# Altium PCB 24V Multiphase Buck.PcbDoc (continued)
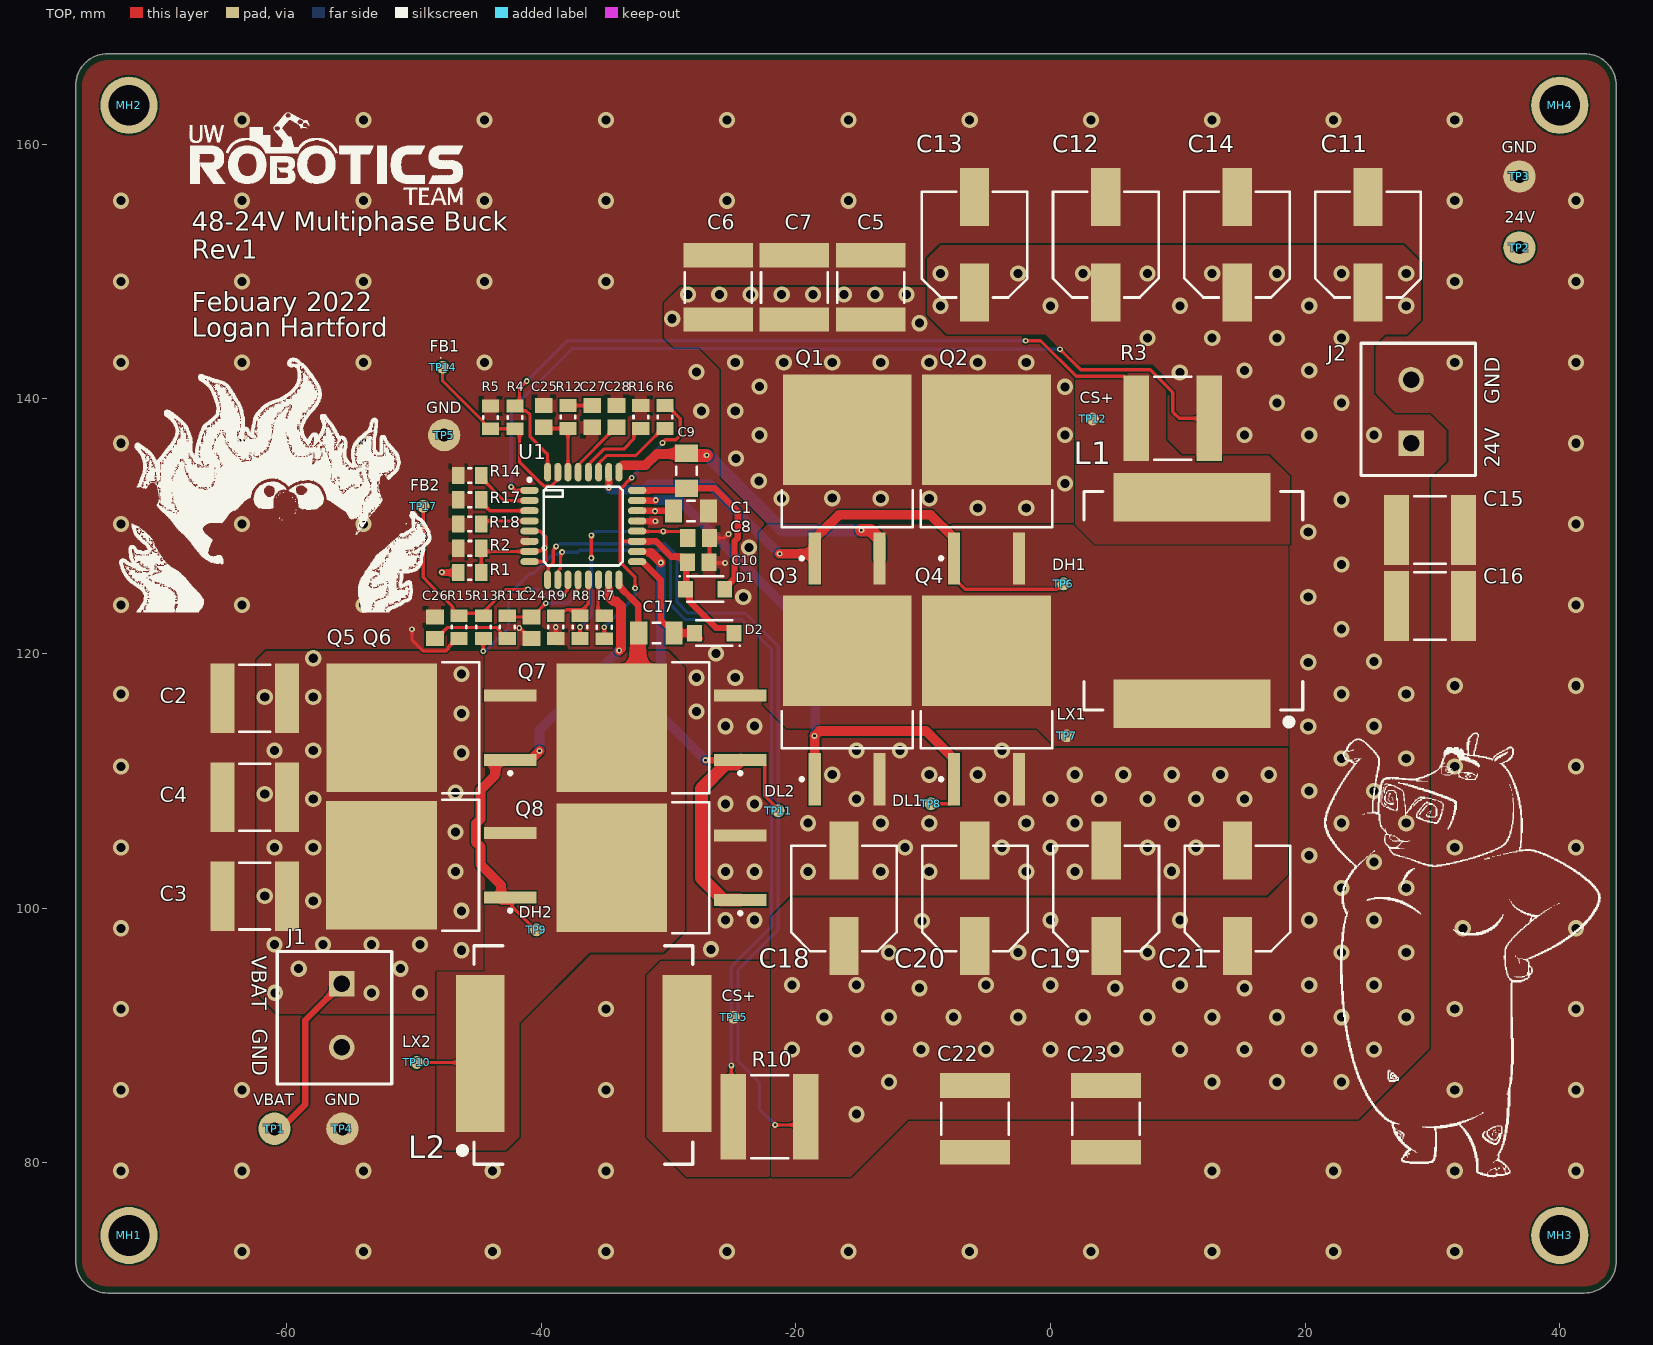
[diagram p0: TOP view]
## Components (designator, comment, footprint, x,y, rotation, side; value= is the part's Value field where it differs from the comment)
C1 "Ceramic Cap" C1206 -28.245,131.191 r180 top value=1uF
C2 "Ceramic Cap" C2220 -62.509,116.498 r0 top value=10uF
C3 "Ceramic Cap" C2220 -62.509,100.955 r0 top value=10uF
C4 "Ceramic Cap" C2220 -62.509,108.726 r0 top value=10uF
C5 "Ceramic Cap" C2220 -14.122,148.768 r270 top value=10uF
C6 "Ceramic Cap" C2220 -26.111,148.768 r270 top value=10uF
C7 "Ceramic Cap" C2220 -20.117,148.768 r270 top value=10uF
C8 "Ceramic Cap" C0805 -27.635,129.083 r180 top value=2.2uF
C9 "Ceramic Cap" C1206 -28.606,134.369 r270 top value=1uF
C10 "Ceramic Cap" C0805 -27.672,127.178 r180 top value=4.7uF
C11 "Electro Cap" CAPAE9983X105M 24.943,152.121 r90 top value=33uF
C12 "Electro Cap" CAPAE9983X105M 4.343,152.121 r90 top value=33uF
C13 "Electro Cap" CAPAE9983X105M -5.969,152.121 r90 top value=33uF
C14 "Electro Cap" CAPAE9983X105M 14.656,152.121 r90 top value=33uF
C15 "Ceramic Cap" CAPC6153X67N 29.805,129.718 r180 top value=NU
C16 "Ceramic Cap" CAPC6153X67N 29.805,123.723 r180 top value=NU
C17 "Ceramic Cap" C1206 -30.963,121.615 r0 top value=1uF
C18 "Electro Cap" CAPAE9983X105M -16.231,100.771 r90 top value=33uF
C19 "Electro Cap" CAPAE9983X105M 4.369,100.771 r90 top value=33uF
C20 "Electro Cap" CAPAE9983X105M -5.944,100.771 r90 top value=33uF
C21 "Electro Cap" CAPAE9983X105M 14.681,100.771 r90 top value=33uF
C22 "Ceramic Cap" CAPC6153X67N -5.944,83.458 r90 top value=NU
C23 "Ceramic Cap" CAPC6153X67N 4.369,83.458 r90 top value=NU
C24 "Ceramic Cap" C0805 -40.767,122.03 r90 top value=33pF
C25 "Ceramic Cap" C0805 -39.802,138.632 r270 top value=33pF
C26 "Ceramic Cap" C0805 -48.362,122.03 r270 top value=8.2nF
C27 "Ceramic Cap" C0805 -35.992,138.632 r90 top value=8.2nF
C28 "Ceramic Cap" C0805 -34.087,138.632 r270 top value=6.2nF
D1 "Schottky Diode" SODFL360X110-2N -27.127,125.07 r0 top
D2 "Schottky Diode" SODFL360X110-2N -26.416,121.615 r180 top
J1 "1935161" 1935161 -55.68,91.567 r270 top
J2 "1935161" 1935161 28.321,139.014 r90 top
L1 "Inductor" IHLP6767GZER5R6M11 11.1,124.17 r90 top value=5.6uH
L2 "Inductor" IHLP6767GZER5R6M11 -36.678,88.595 r0 top value=5.6uH
MH1 "MOUNTING_HOLE_M3" MOUNTING_HOLE_3mm -72.39,74.295 r0 top
MH2 "MOUNTING_HOLE_M3" MOUNTING_HOLE_3mm -72.39,163.068 r0 top
MH3 "MOUNTING_HOLE_M3" MOUNTING_HOLE_3mm 40.005,74.295 r0 top
MH4 "MOUNTING_HOLE_M3" MOUNTING_HOLE_3mm 40.005,163.068 r0 top
Q1 "BUK768R1-100E,118" DPAK254P1530X450-3N -15.977,133.683 r90 top
Q2 "BUK768R1-100E,118" DPAK254P1530X450-3N -5.029,133.683 r90 top
Q3 "BUK768R1-100E,118" DPAK254P1530X450-3N -15.977,116.332 r90 top
Q4 "BUK768R1-100E,118" DPAK254P1530X450-3N -5.029,116.332 r90 top
Q5 "BUK768R1-100E,118" DPAK254P1530X450-3N -48.643,103.378 r180 top
Q6 "BUK768R1-100E,118" DPAK254P1530X450-3N -48.641,114.173 r180 top
Q7 "BUK768R1-100E,118" DPAK254P1530X450-3N -30.568,114.173 r180 top
Q8 "BUK768R1-100E,118" DPAK254P1530X450-3N -30.568,103.175 r180 top
R1 "Resistor" R0805 -45.618,126.365 r180 top value=191kΩ
R2 "Resistor" R0805 -45.618,128.27 r0 top value=10kΩ
R3 "Resistor" R2728 9.601,138.481 r0 top value=5mΩ
R4 "Resistor" R0805 -42.062,138.557 r90 top value=187kΩ
R5 "Resistor" R0805 -43.993,138.557 r270 top value=6.49kΩ
R6 "Resistor" R0805 -30.277,138.582 r270 top value=10kΩ
R7 "Resistor" R0805 -35.052,122.072 r90 top value=10kΩ
R8 "Resistor" R0805 -36.957,122.08 r270 top value=30.9kΩ
R9 "Resistor" R0805 -38.862,122.08 r90 top value=1070Ω
R10 "Resistor" R2728 -22.073,83.617 r0 top value=5mΩ
R11 "Resistor" R0805 -42.672,122.08 r90 top value=19.6kΩ
R12 "Resistor" R0805 -37.897,138.582 r270 top value=19.6kΩ
R13 "Resistor" R0805 -44.552,122.08 r270 top value=187kΩ
R14 "Resistor" R0805 -45.618,133.985 r0 top value=71.5kΩ
R15 "Resistor" R0805 -46.457,122.08 r90 top value=6.49kΩ
R16 "Resistor" R0805 -32.182,138.582 r270 top value=392kΩ
R17 "Resistor" R0805 -45.618,132.08 r0 top value=392kΩ
R18 "Resistor" R0805 -45.618,130.175 r0 top value=0Ω
TP1 "TESTPOINT_LOOP" TESTPOINT_LOOP -60.96,82.677 r90 top
TP2 "TESTPOINT_LOOP" TESTPOINT_LOOP 36.83,151.892 r90 top
TP3 "TESTPOINT_LOOP" TESTPOINT_LOOP 36.83,157.48 r90 top
TP4 "TESTPOINT_LOOP" TESTPOINT_LOOP -55.626,82.677 r90 top
TP5 "TESTPOINT_LOOP" TESTPOINT_LOOP -47.625,137.16 r0 top
TP6 "TESTPOINT_1MM_CIRCLE" TESTPOINT_CIRCLE_1MM 1.016,125.476 r90 top
TP7 "TESTPOINT_1MM_CIRCLE" TESTPOINT_CIRCLE_1MM 1.27,113.538 r90 top
TP8 "TESTPOINT_1MM_CIRCLE" TESTPOINT_CIRCLE_1MM -9.398,108.204 r90 top
TP9 "TESTPOINT_1MM_CIRCLE" TESTPOINT_CIRCLE_1MM -40.386,98.298 r90 top
TP10 "TESTPOINT_1MM_CIRCLE" TESTPOINT_CIRCLE_1MM -49.784,87.884 r90 top
TP11 "TESTPOINT_1MM_CIRCLE" TESTPOINT_CIRCLE_1MM -21.381,107.653 r90 top
TP12 "TESTPOINT_1MM_CIRCLE" TESTPOINT_CIRCLE_1MM 3.302,138.43 r90 top
TP14 "TESTPOINT_1MM_CIRCLE" TESTPOINT_CIRCLE_1MM -47.752,142.494 r90 top
TP15 "TESTPOINT_1MM_CIRCLE" TESTPOINT_CIRCLE_1MM -24.892,91.44 r90 top
TP17 "TESTPOINT_1MM_CIRCLE" TESTPOINT_CIRCLE_1MM -49.276,131.572 r90 top
U1 "MAX17559ACJ+" CQFP80P900X900X120-32N -36.703,130.023 r0 top

## Footprints (in the part's own frame and the unit in brackets; to place one, negate y for a bottom-side part, rotate by r counter-clockwise, add the part's x,y. Pads: shape width x height; smd on the part's side, far side on the other; paste and mask are expansions set on the pad)
1935161 [mm]
  rect 2x2 hole 1.3: 1(-2.5,0)
  round 2 hole 1.3: 2(2.5,0)
  silkscreen extent -5.03,-5.06 5.37,3.94, body extent -5.03,-5.06 5.37,3.94, height 11.45
C0805 [mm] "Chip Capacitor, 2-Leads, Body 2.00x1.25mm, IPC Medium Density"
  rect 1.2x1.4 smd: 1(-0.85,0) 2(0.85,0)
  body extent -1.05,-0.67 1.05,0.67, height 1.35
C1206 [mm] "Chip Capacitor, 2-Leads, Body 3.20x1.60mm, IPC Medium Density"
  rect 1.35x1.8 smd: 1(-1.375,0) 2(1.375,0)
  silkscreen extent -0.3,-0.8 0.3,0.8, body extent -1.7,-0.9 1.7,0.9, height 1.8
C2220 [mm] "Chip Capacitor, 2-Leads, Body 5.70x5.02mm, IPC Medium Density"
  rect 1.9x5.45 smd: 1(-2.525,0) 2(2.525,0)
  silkscreen extent -1.2,-2.62 1.2,2.63, body extent -3.1,-2.72 3.1,2.72, height 2.79
CAPAE9983X105M [mm] "Aluminum Electrolytic Capacitor, Body 8.30x8.30x10.50mm, IPC Low Density"
  rect 4.55x2.3 smd: 1(-3.75,0) 2(3.75,0)
  silkscreen extent -4.15,-4.15 4.15,4.15, body extent -4.95,-4.15 4.95,4.15, height 10.5
CAPC6153X67N [mm] "Chip Capacitor, 2-Leads, Body 6.10x5.30mm, IPC Medium Density"
  rect 1.95x5.5 smd: 1(-2.625,0) 2(2.625,0)
  silkscreen extent -1.25,-2.65 1.25,2.65, body extent -3.25,-2.75 3.25,2.75, height 6.7
CQFP80P900X900X120-32N [mm] "CQFP, 32-Leads, Body 9.00x9.00mm, Pitch 0.80mm, IPC Medium Density"
  oval 1.45x0.55 smd: 1(-4.225,2.8) 2(-4.225,2) 3(-4.225,1.2) 4(-4.225,0.4) 5(-4.225,-0.4) 6(-4.225,-1.2) 7(-4.225,-2) 8(-4.225,-2.8) 17(4.225,-2.8) 18(4.225,-2) 19(4.225,-1.2) 20(4.225,-0.4) 21(4.225,0.4) 22(4.225,1.2) 23(4.225,2) 24(4.225,2.8)
  oval 0.55x1.45 smd: 9(-2.8,-4.225) 10(-2,-4.225) 11(-1.2,-4.225) 12(-0.4,-4.225) 13(0.4,-4.225) 14(1.2,-4.225) 15(2,-4.225) 16(2.8,-4.225) 25(2.8,4.225) 26(2,4.225) 27(1.2,4.225) 28(0.4,4.225) 29(-0.4,4.225) 30(-1.2,4.225) 31(-2,4.225) 32(-2.8,4.225)
  silkscreen extent -4.35,-3.1 3.1,3.75, body extent -4.6,-4.6 4.6,4.6, height 1.15
DPAK254P1530X450-3N [mm] "D2-PAK, 3-Pads, Body 8.60x8.51mm (max), IPC Medium Density"
  rect 4.1x0.95 smd: 1(-6.2,2.54) 3(-6.2,-2.54)
  rect 8.7x10.1 smd: 2(3.9,0)
  silkscreen extent -6.32,-5.15 -0.85,5.15, body extent -7.3,-5.15 8,5.15, height 4.5
IHLP6767GZER5R6M11 [mm]
  rect 3.825x12.32 smd: 1(-8.117,0) 2(8.117,0)
  silkscreen extent -9.53,-8.71 8.57,8.46, body extent -8.6,-8.71 8.57,8.46, height 6.99
MOUNTING_HOLE_3mm [mm] "3mm Hole"
  round 4.5 hole 3.2 mask+0.3: 0(0,0)
R0805 [mm] "Chip Resistor, 2-Leads, Body 2.00x1.25mm, IPC Medium Density"
  rect 1x1.35 smd: 1(-0.9,0) 2(0.9,0)
  silkscreen extent -0.1,-0.58 0.1,0.58, body extent -1.05,-0.67 1.05,0.67, height 0.6
R2728 [mm] "Chip Resistor, 2-Leads, Body 6.71x6.45mm, IPC Medium Density"
  rect 2x6.7 smd: 1(-2.85,0) 2(2.85,0)
  silkscreen extent -1.45,-3.25 1.45,3.25, body extent -3.48,-3.35 3.48,3.35, height 1.24
SODFL360X110-2N [mm] "SODFL, 2-Leads, Body 1.80x3.60mm, IPC Medium Density"
  rect 1.15x1.3 smd: 1(-1.55,0) 2(1.55,0)
  silkscreen extent -2.05,-1 1.4,1.05, body extent -1.8,-1 1.8,1, height 1.1
TESTPOINT_CIRCLE_1MM [mm]
  round 1 smd: 1(0,0)
TESTPOINT_LOOP [mm]
  round 2.54 hole 1.02: 1(0,0)
  body extent -1.27,-1.27 1.27,1.27, height 4.57

## Part data
C1 C9 C17: library part CL31B105KCHNFNE, Capacitance=1uF, Manufacturer="Samsung Electro-Mechanics", Package=1206, Supplier Part Number=1276-3094-2-ND, Voltage=100V, Part Number=CL31B105KCHNFNE, Supplier=Digi-Key, Voltage Rating=100V
C2 C3 C4 C5 C6 C7: library part 22201C106KAT2A, Capacitance=10uF, Manufacturer="KYOCERA AVX", Package=2220, Supplier Part Number=478-12492-1-ND, Voltage=100V, Part Number=22201C106KAT2A, Supplier=Digi-Key, Voltage Rating=100V
C8: library part CL21A225KBFNNNE, Capacitance=2.2uF, Manufacturer="Samsung Electro-Mechanics", Package=0805, Supplier Part Number=1276-6702-1-ND, Voltage=50V, Part Number=CL21A225KBFNNNE, Supplier=Digi-Key, Voltage Rating=50V
C10: library part GRM21BR61H475KE51L, Capacitance=4.7uF, Manufacturer="Murata Electronics", Package=0805, Supplier Part Number=490-10751-1-ND, Voltage=50V, Part Number=GRM21BR61H475KE51L, Supplier=Digi-Key, Voltage Rating=50V
C11 C12 C13 C14 C18 C19 C20 C21: library part EEV-FC1H330P, Capacitance=33uF, Manufacturer="Panasonic Electronic Components", Package=Radial, Supplier Part Number=PCE3258CT-ND, Voltage=50V, Part Number=EEV-FC1H330P, Supplier=Digi-Key, Voltage Rating=50V
C15 C16 C22 C23: library part KRM55WR71H336MH01K, Capacitance=NU, Manufacturer="Murata Electronics", Package="Stacked SMD", Supplier Part Number=490-17695-1-ND, Voltage=NV, Part Number=KRM55WR71H336MH01K, Supplier=Digi-Key, Voltage Rating=NV
C24 C25: library part C0805C330K5GAC7800, Capacitance=33pF, Manufacturer=KEMET, Package=0805, Supplier Part Number=339-C0805C330K5GAC7800CT-ND, Voltage=50V, Part Number=C0805C330K5GAC7800, Supplier=Digi-Key, Voltage Rating=50V
C26 C27: library part CC0805KRX7R9BB822, Capacitance=8.2nF, Manufacturer=YAGEO, Package=0805, Supplier Part Number=311-4331-1-ND, Voltage=50V, Part Number=CC0805KRX7R9BB822, Supplier=Digi-Key, Voltage Rating=50V
C28: library part GRM2195C1H622JA01D, Capacitance=6.2nF, Manufacturer="Murata Electronics", Package=0805, Supplier Part Number=490-1637-1-ND, Voltage=50V, Part Number=GRM2195C1H622JA01D, Supplier=Digi-Key, Voltage Rating=50V
D1 D2: library part DSS110UTR, Package=SOD-123F, Supplier Part Number=1655-1931-1-ND, Manufacturer Part Number=DSS110UTR, Part Number=DSS110UTR, Supplier=Digi-Key, Vr=100V, Vr (Max)=100V
J1: "2 Port Terminal", Manufacturer="Phoenix Contact", Supplier Part Number=277-1667-ND, Mounting Type=TH, Part Number=1935161, Supplier=Digi-Key
J2: Manufacturer="Phoenix Contact", Supplier Part Number=277-1667-ND, Mounting Type=TH, Part Number=1935161, Supplier=Digi-Key
L1 L2: library part IHLP6767GZER5R6M11, Inductance=5.6uH, Manufacturer="Vishay Dale", Saturation Current=21A, Supplier Part Number=541-1283-1-ND, Tolerance=20%, DCR=4.44mΩ, Part Number=IHLP6767GZER5R6M11, Supplier=Digi-Key
Q1 Q2 Q3 Q4 Q5 Q6 Q7 Q8: Manufacturer="Nexperia USA Inc.", Package=D2PAK, Supplier Part Number=1727-1062-1-ND, Id=100A, Manufacturer Part Number=BUK768R1-100E,118, Part Number=BUK768R1-100E,118, Supplier=Digi-Key, Type=N-CH, Vds=100V, Vgs (Max)=20V
R1: library part RC0805FR-07191KL, Manufacturer=Yageo, Package=0805, Resistance=191kΩ, Supplier Part Number=311-191KCRTR-ND, Package/Footprint=0805, Part Number=RC0805FR-07191KL, Supplier=Digi-Key
R2 R6 R7: library part RC0805JR-0710KL, Manufacturer=Yageo, Package=0805, Resistance=10kΩ, Supplier Part Number=311-10KARTR-ND, Package/Footprint=0805, Part Number=RC0805JR-0710KL, Supplier=Digi-Key
R3 R10: library part CSSH2728FT5L00, Manufacturer=Yageo, Package=2728, Resistance=5mΩ, Supplier Part Number=CSSH2728FT5L00TR-ND, Package/Footprint=2728, Part Number=CSSH2728FT5L00, Supplier=Digi-Key
R4 R13: library part RT0805BRD07187KL, Manufacturer=Yageo, Package=0805, Resistance=187kΩ, Supplier Part Number=13-RT0805BRD07187KLCT-ND, Package/Footprint=0805, Part Number=RT0805BRD07187KL, Supplier=Digi-Key
R5 R15: library part RC0805FR-076K49L, Manufacturer=Yageo, Package=0805, Resistance=6.49kΩ, Supplier Part Number=311-6.49KCRTR-ND, Package/Footprint=0805, Part Number=RC0805FR-076K49L, Supplier=Digi-Key
R8: library part RMCF0805FT30K9, Manufacturer="Stackpole Electronics Inc", Package=0805, Resistance=30.9kΩ, Supplier Part Number=RMCF0805FT30K9CT-ND, Package/Footprint=0805, Part Number=RMCF0805FT30K9, Supplier=Digi-Key
R9: library part RC0805FR-071K07L, Manufacturer=Yageo, Package=0805, Resistance=1070Ω, Supplier Part Number=311-1.07KCRCT-ND, Package/Footprint=0805, Part Number=RC0805FR-071K07L, Supplier=Digi-Key
R11 R12: library part AC0805FR-0719K6L, Manufacturer=Yageo, Package=0805, Resistance=19.6kΩ, Supplier Part Number=YAG5355TR-ND, Package/Footprint=0805, Part Number=AC0805FR-0719K6L, Supplier=Digi-Key
R14: library part RC0805FR-0771K5L, Manufacturer=Yageo, Package=0805, Resistance=71.5kΩ, Supplier Part Number=311-71.5KCRCT-ND, Package/Footprint=0805, Part Number=RC0805FR-0771K5L, Supplier=Digi-Key
R16 R17: library part RC0805FR-07392KL, Manufacturer=Yageo, Package=0805, Resistance=392kΩ, Supplier Part Number=311-392KCRCT-ND, Package/Footprint=0805, Part Number=RC0805FR-07392KL, Supplier=Digi-Key
R18: library part RC0805JR-070RL, Manufacturer=Yageo, Package=0805, Resistance=0Ω, Supplier Part Number=311-0.0ARCT-ND, Package/Footprint=0805, Part Number=RC0805JR-070RL, Supplier=Digi-Key
TP1 TP2 TP3 TP4 TP5: "TESTPOINT THRUHOLE", Manufacturer 1="Keystone Electronics", Manufacturer Part Number 1=5002, Package/Footprint=TH, Supplier Part Number 1=36-5002-ND, Mounting Type=TH, Supplier 1=Digi-Key
TP6 TP7 TP8 TP9 TP10 TP11 TP12 TP14 TP15 TP17: "TESTPOINT 1MM CIRCLE"
U1: "IC REG CTRLR BUCK 32TQFP", Case/Package=TQFP, Manufacturer=Maxim, Max Operating Temperature=125°C, Min Operating Temperature=-40°C, Supplier Part Number 1=MAX17559ACJ+-ND, Category="Voltage Regulators - Switching", Manufacturer Part Number=MAX17559ACJ+, Number of Outputs=2, Number of Pins=32, Packaging=Tray, Part Number=MAX17559ACJ+, Pricing 1="1=7.47000, 10=6.75100, 25=6.43680, 80=5.58925, 250=5.33800, 500=4.86700, 1000=4.71000 (USD)", RoHS=Yes, Stock 1=210, Supplier 1=Digi-Key

## Via types
v1: diameter 1.27, hole 0.711, TOP to BOT, tented both sides, 288 vias
v2: diameter 0.457, hole 0.203, TOP to BOT, tented both sides, 40 vias

## Nets (pads, with @x,y where several pads share a name; then routed paths per layer and width w, separated by ;. In a path a pad name is that pad's centre, name@x,y a point inside that pad or via, vN(x,y) a via of type N, cw(c..) or ccw(c..) an arc to the next point about the centre after c; other vN are vias at no path point)
24V: C8.2 C11.1 C12.1 C13.1 C14.1 C15.2 C16.2 C18.1 C19.1 C20.1 C21.1 C22.2 C23.2 J2.1 R3.2 R8.2 R10.2 TP2.1 U1.1 U1.9 U1.20 | length 154.8
  TOP w0.254: v2(-42.367,133.096) -42.312,133.096 -42.039,132.823 U1.1 ; U1.9 -39.446,125.854 -39.446,126.756 -39.052,127.151 -39.052,128.147 -38.835,128.364 v2(-38.835,128.419) ; R8.2 v2(-36.957,122.08) ; v2(-36.068,127.508) v2(-36.068,129.286) ; U1.20 -32.455,129.599 v2(-30.416,129.599) -28.958,129.599 -28.485,129.126 C8.2 ; v2(-21.638,82.981) -19.044,82.981 R10.2@-19.019,82.956 ; v2(0.744,143.909) 2.362,142.291 7.83,142.291 9.601,140.52 9.601,138.981 10.101,138.481 R3.2
  BOT w0.254: v2(-42.367,133.096) -42.367,139.167 -37.567,143.967 -18.468,143.967 -18.41,143.909 v2(0.744,143.909) ; v2(-38.835,128.419) -38.78,128.419 -38.573,128.626 -30.284,128.626 -29.337,127.678 -29.337,124.035 -28.492,123.19 -23.976,123.19 -21.381,120.595 -21.381,98.318 -24.541,95.158 -24.541,87.988 -22.86,86.308 -22.86,84.203 v2(-21.638,82.981) ; v2(-36.957,122.08) -36.068,122.969 v2(-36.068,127.508) ; v2(-36.068,129.286) -35.755,129.599 v2(-30.416,129.599)
  other v1: -15.24,83.82 -12.7,86.36 12.7,86.36 17.78,86.36 22.86,86.36 -20.32,88.9 -15.24,88.9 -10.16,88.9 -5.08,88.9 0,88.9 5.08,88.9 10.16,88.9 15.24,88.9 20.32,88.9 25.4,88.9 -17.78,91.44 -12.7,91.44 -7.62,91.44 -2.54,91.44 2.54,91.44 7.62,91.44 12.7,91.44 17.78,91.44 22.86,91.44 27.94,91.44 -10.282,93.721 5.079,93.721 15.232,93.721 -20.32,93.98 -15.24,93.98 -5.08,93.98 0,93.98 10.16,93.98 20.32,93.98 25.4,93.98 -12.7,96.52 -2.54,96.52 7.62,96.52 22.86,96.52 27.94,96.52 -10.094,99.001 0,99.06 10.16,99.06 20.32,99.06 25.4,99.06 22.86,101.6 27.94,101.6 25.4,103.632 20.32,104.14 22.86,106.68 27.94,106.68 20.32,109.22 25.4,109.22 22.86,111.76 27.94,111.76 20.244,114.283 25.4,114.3 22.86,116.84 27.94,116.84 20.244,119.315 25.4,119.38 22.86,121.92 20.244,124.436 22.86,127 20.244,129.556 22.86,132.08 15.24,137.16 20.32,137.16 25.4,137.16 17.78,139.7 22.86,139.7 10.156,142.081 15.24,142.24 20.32,142.24 7.62,144.78 12.7,144.78 17.78,144.78 22.86,144.78 -8.636,147.32 0,147.32 10.16,147.32 20.32,147.32 27.94,147.32 -8.636,149.86 -2.54,149.86 2.54,149.86 7.62,149.86 12.7,149.86 17.78,149.86 22.86,149.86 27.94,149.86
BST1: C9.2 D1.2 U1.24 | length 15.3
  TOP w0.508: U1.24 -28.778,132.823 C9.2 -26.38,132.994 -24.561,131.175 -24.561,129.084 -24.824,128.821 -24.824,125.898 -25.577,125.145 D1.2
BST2: C17.2 D2.2 U1.17 | length 9.4
  TOP w0.508: U1.17 -32.039,127.223 -32.007,127.19 -32.007,127.182 -30.607,125.782 -30.607,122.635 -30.234,122.261 -30.009,122.261 -29.588,121.84 C17.2 -28.041,121.615 -27.645,121.219 D2.2@-27.571,121.219
COMP1: C25.2 R12.2 U1.30 | length 5.4
  TOP w0.254: C25.2 -39.702,137.682 R12.2 -37.903,137.676 U1.30
COMP2: C24.2 R11.2 U1.12 | length 7.6
  TOP w0.254: R11.2 -42.572,122.88 C24.2@-40.667,122.88 ; C24.2 C24.2@-40.667,122.88 ; v2(-39.649,123.952) -39.649,123.943 -40.194,123.399 -40.194,123.353 C24.2@-40.667,122.88 ; v2(-37.186,124.663) -37.16,124.689 -37.16,125.741 U1.12
  BOT w0.254: v2(-39.649,123.952) -37.897,123.952 v2(-37.186,124.663)
DH1: Q1.1 Q2.1 TP6.1 U1.26 | length 46.2
  TOP w0.254: Q2.1 -7.569,125.908 -6.713,125.052 0.494,125.052 0.919,125.476 TP6.1
  TOP w0.508: v2(-34.696,133.045) U1.26@-34.696,134.241
  TOP w0.762: v2(-21.285,127.838) -18.611,127.838 Q1.1@-18.517,127.744 ; Q1.1 Q1.1@-18.517,127.744 ; Q2.1 -7.569,129.058 -7.663,129.152 -9.413,130.902 -16.627,130.902 -17.858,129.671 -17.903,129.671 -18.517,129.058 Q1.1@-18.517,127.744
  BOT w0.762: v2(-34.696,133.045) -34.52,132.869 -31.929,132.869 -31.507,133.291 -26.738,133.291 v2(-21.285,127.838)
DH2: Q5.1 Q6.1 TP9.1 U1.15 | length 36.7
  TOP w0.254: Q5.1@-42.441,100.635 -42.296,100.49 -42.296,100.131 TP9.1@-40.425,98.259
  TOP w0.508: U1.15 -34.695,125.79 -34.695,125.31 -34.686,125.301 -34.686,124.844
  TOP w0.762: Q5.1@-42.441,100.635 -43.064,100.635 -43.158,100.729 -43.158,101.806 -44.78,103.429 -44.78,104.832 -45.128,105.18 -45.128,106.656 -44.78,107.004 -44.78,109.294 -43.613,110.461 -43.613,111.539 -43.519,111.633 Q6.1 -40.866,111.633 v2(-40.141,112.358) ; -34.686,124.844 -34.686,124.45 -34.344,124.107 -34.114,124.107 -33.742,123.735 -33.742,120.385 v2(-33.884,120.244)
  BOT w0.762: v2(-40.141,112.358) -40.141,113.986 v2(-33.884,120.244)
DL1: Q3.1 Q4.1 TP8.1 U1.23 | length 46.9
  TOP w0.254: TP8.1 -9.393,108.209 -7.917,108.209 -7.569,108.557 Q4.1
  TOP w0.508: U1.23 -31.052,132.023 v2(-31.014,132.061) ; v2(-18.542,113.538) v2@-18.517,113.513
  TOP w0.762: v2(-18.542,113.538) -18.161,113.919 -9.781,113.919 -7.569,111.707 Q4.1 ; Q3.1 v2@-18.517,113.513
  BOT w0.762: v2(-31.014,132.061) -29.191,132.061 -18.491,121.361 -18.491,113.589 v2(-18.542,113.538)
DL2: Q7.1 Q8.1 TP11.1 U1.18 | length 41.4
  TOP w0.254: Q7.1 -22.793,111.633 -22.445,111.285 -22.445,108.845 -21.381,107.78 TP11.1
  TOP w0.508: U1.18@-32.47,128.015 -31.541,128.015 -31.46,127.934 ; v2(-27.102,111.633) Q7.1@-25.91,111.633
  TOP w0.762: -31.46,127.934 -31.388,127.934 v2(-30.607,127.152)
  TOP w1.016: Q8.1 -25.877,100.635 -25.91,100.668 -25.91,100.862 -27.432,102.385 -27.432,109.387 -25.526,111.293 -24.682,111.319 Q7.1
  BOT w0.762: v2(-30.607,127.152) -30.607,115.138 v2(-27.102,111.633)
EN: R1.1 R2.2 U1.5 U1.7 U1.8 | length 11.6
  TOP w0.254: R1.1 R2.2 -44.471,128.023 U1.7 -40.871,128.079 -40.017,128.079 -39.792,128.305 v2(-39.737,128.305) ; U1.8 -39.698,127.223 -39.624,127.297 -39.624,128.092 ; U1.5 -40.908,129.603 -40.093,129.603 -39.624,129.134 v2@-39.624,128.305
FB1: R4.1 R5.2 TP14.1 U1.31 | length 15.8
  TOP w0.254: TP14.1 -47.752,141.416 -44.541,138.205 -44.541,138.03 -44.168,137.657 R4.1 R4.1@-41.935,137.657 ; R4.1@-41.707,137.682 -41.707,135.026 -40.011,133.331 -39.964,133.331 -39.775,133.142 -39.231,133.142 -38.847,133.526 -38.847,133.574 -38.703,133.718 U1.31
FB2: R13.1 R15.2 TP17.1 U1.11 | length 20.4
  TOP w0.254: TP17.1 -49.276,125.989 -48.746,125.458 -46.965,123.678 -46.965,123.353 -46.781,123.17 R15.2@-46.457,123.17 ; R15.2 R15.2@-46.457,123.17 ; v2(-41.046,125.044) -42.77,125.044 -44.645,123.17 R15.2@-46.457,123.17 ; v2(-38.303,124.587) -38.303,124.642 -37.96,124.986 -37.96,125.741 U1.11
  BOT w0.254: v2(-41.046,125.044) -40.137,125.044 -39.68,124.587 v2(-38.303,124.587)
GND: C1.1 C2.1 C3.1 C4.1 C5.1 C6.1 C7.1 C8.1 C10.1 C11.2 C12.2 C13.2 C14.2 C15.1 C16.1 C18.2 C19.2 C20.2 C21.2 C22.1 C23.1 C24.1 C25.1 C26.1 C27.1 C28.1 J1.2 J2.2 Q3.3 Q4.3 Q7.3 Q8.3 R2.1 R5.1 R9.1 R14.1 R15.1 R16.1 R17.1 R18.1 TP3.1 TP4.1 TP5.1 U1.6 U1.21 | length 13.9
  TOP w0.254: v2(-50.165,121.92) -50.165,121.082 -49.283,120.199 -47.504,120.199 -47.281,120.423 -47.281,120.531 -46.632,121.18 R15.1 ; v2(-41.736,122.011) -41.625,121.899 -41.586,121.899 -40.867,121.18 C24.1 ; R9.1 v2(-38.862,122.08) ; v2(-25.56,127.127) -26.772,127.127 C10.1 -26.785,127.215 C8.1 -25.658,129.083 -25.352,129.389 v2(-25.297,129.389)
  TOP w0.508: U1.21 -32.47,130.415 -31.605,130.415 -31.594,130.404 v2(-31.039,130.404)
  other v1: -63.5,73.025 -53.975,73.025 -43.815,73.025 -34.925,73.025 -25.4,73.025 -15.875,73.025 -6.35,73.025 3.175,73.025 12.7,73.025 22.225,73.025 31.75,73.025 -73.025,79.375 -63.5,79.375 -53.975,79.375 -43.815,79.375 -34.925,79.375 12.7,79.375 22.225,79.375 31.75,79.375 41.275,79.375 -73.025,85.725 -63.5,85.725 -34.925,85.725 31.75,85.725 41.275,85.725 -73.025,92.075 -34.925,92.075 31.75,92.075 41.275,92.075 -26.67,96.774 -73.025,98.425 32.385,98.425 41.275,98.425 -25.527,99.06 -23.241,99.06 -25.527,102.87 -23.241,102.87 -19.05,102.87 -13.335,102.87 -9.525,102.87 -1.905,102.87 1.905,102.87 9.519,102.904 -73.025,104.775 -11.43,104.775 -3.81,104.775 0,104.775 7.62,104.775 11.43,104.775 31.75,104.775 41.275,104.775 -19.05,106.68 -13.335,106.68 -9.525,106.68 -1.905,106.68 1.905,106.68 9.531,106.673 -25.527,108.204 -23.241,108.204 -15.24,108.585 -3.81,108.585 0,108.585 3.81,108.585 7.62,108.585 11.43,108.585 15.24,108.585 -17.145,110.49 -9.525,110.49 -5.715,110.49 1.905,110.49 5.715,110.49 9.525,110.49 13.335,110.49 17.145,110.49 -73.025,111.125 31.75,111.125 41.275,111.125 -15.24,112.395 -11.811,112.395 -3.81,112.395 -25.527,114.3 -23.241,114.3 -27.813,115.443 -73.025,116.84 31.75,117.475 41.275,117.475 -27.806,118.11 -24.765,118.11 -26.289,120.015 -73.025,123.825 -63.5,123.825 -53.975,123.825 41.275,123.825 -24.13,124.46 -23.681,128.347 -73.025,130.175 -63.5,130.175 -53.975,130.175 41.275,130.175 -73.025,136.525 -63.5,136.525 -53.975,136.525 41.275,136.525 -27.432,139.065 -27.813,142.113 -73.025,142.875 -63.5,142.875 -53.975,142.875 -44.45,142.875 31.75,142.875 41.275,142.875 -73.025,149.225 -63.5,149.225 -53.975,149.225 -44.45,149.225 -34.925,149.225 31.75,149.225 41.275,149.225 -73.025,155.575 -63.5,155.575 -53.975,155.575 -44.45,155.575 -34.925,155.575 -25.4,155.575 -15.875,155.575 31.75,155.575 41.275,155.575 -63.5,161.925 -53.975,161.925 -44.45,161.925 -34.925,161.925 -25.4,161.925 -15.875,161.925 -6.35,161.925 3.175,161.925 12.7,161.925 22.225,161.925 31.75,161.925
ILIM1: R16.2 U1.28 | length 6.2
  TOP w0.254: U1.28 -36.303,134.778 -36.159,134.922 -36.159,134.993 -35.085,136.068 -33.528,136.068 -32.73,136.866 -32.73,137.309 -32.357,137.682 R16.2
ILIM2: R17.2 U1.3 | length 4.2
  TOP w0.254: R17.2 -44.718,131.905 -44.036,131.223 U1.3
ILIMSEL: R18.2 U1.4 | length 3.9
  TOP w0.254: R18.2 -44.471,130.423 U1.4
LX1: C9.1 L1.1 Q1.3 Q2.3 Q3.2 Q4.2 TP7.1 U1.25 | length 25.1
  TOP w0.508: U1.25@-33.797,134.592 -33.591,134.798
  TOP w0.762: -33.591,134.798 -31.803,134.798 -30.914,135.687 -28.664,135.687 C9.1
  TOP w1.016: C9.1 -28.439,135.577 v2(-27.018,135.577) ; v2(-14.859,129.692) -14.137,129.692 -13.437,128.992 Q1.3
  BOT w1.016: v2(-27.018,135.577) -26.942,135.577 -21.057,129.692 v2(-14.859,129.692)
LX2: C17.1 L2.1 Q5.3 Q6.3 Q7.2 Q8.2 TP10.1 U1.16 | length 22
  TOP w0.254: TP10.1 -45.506,87.884 L2.1 ; Q7.2@-37.008,116.713 Q7.2
  TOP w0.508: U1.16 -33.903,125.336 -33.882,125.315 -33.882,125.297 -32.372,123.787 C17.1@-32.372,121.65
  TOP w1.27: Q7.2 -32.411,116.229 -32.411,121.316 -32.378,121.35 -32.378,121.575 C17.1
NetC26_2: C26.2 R11.1 | length 6.5
  TOP w0.254: C26.2@-48.362,121.638 C26.2@-48.262,121.638 ; C26.2@-48.262,121.18 -47.543,121.899 -47.504,121.899 -47.342,122.061 -43.534,122.061 -43.22,121.748 -43.22,121.553 -42.847,121.18 R11.1
NetC27_2: C27.2 R12.1 | length 1.9
  TOP w0.254: R12.1 C27.2
NetL1_2: L1.2 R3.1 R4.2 TP12.1 U1.32 | length 61.5
  TOP w0.254: v2(-41.148,141.402) -41.707,140.843 -41.707,139.403 -41.387,139.084 -41.215,139.084 -40.883,138.752 -40.883,137.025 -39.683,135.824 -39.503,135.645 U1.32 ; v2(-1.956,144.577) -0.787,144.577 2.007,141.783 5.799,141.783 6.751,140.831 R3.1
  BOT w0.254: v2(-41.148,141.402) -37.973,144.577 v2(-1.956,144.577)
NetL2_2: L2.2 R10.1 R13.2 TP15.1 U1.10 | length 74.5
  TOP w0.254: v2(-44.562,120.193) -44.562,121.17 R13.2 ; U1.10 -38.646,125.854 -38.646,126.543 -38.481,126.709 -38.481,127.802 -38.368,127.915 v2(-38.368,127.97) ; v2(-25.07,87.655) -25.07,83.307 R10.1@-25.019,83.256
  BOT w0.254: v2(-44.562,120.193) -44.523,120.232 -44.36,120.232 -42.57,122.022 -42.57,124.609 -40.911,126.269 -40.645,126.269 -39.104,127.81 -38.583,127.81 -38.423,127.97 -37.138,127.97 -36.99,128.118 -30.495,128.118 -29.845,127.468 -29.845,123.825 -28.702,122.682 -24.252,122.682 -21.917,120.348 -21.917,98.545 -25.07,95.393 v2(-25.07,87.655)
PGOOD1: R6.2 U1.27 | length 7
  TOP w0.254: U1.27 -35.503,134.778 -35.446,134.834 -35.446,134.988 -34.874,135.56 -32.574,135.56 -30.452,137.682 R6.2
PGOOD2: R7.2 U1.14 | length 2.4
  TOP w0.254: R7.2@-35.554,123.43 -35.554,125.747 U1.14
RT: R14.2 U1.2 | length 4.7
  TOP w0.254: R14.2 -44.718,133.81 -42.931,132.023 U1.2
SS1: C28.2 U1.29 | length 4.8
  TOP w0.254: U1.29 -37.103,134.778 -36.959,134.922 -36.959,134.969 -34.66,137.269 -34.66,137.309 -34.187,137.782 C28.2
SS2: R8.1 R9.2 U1.13 | length 4.2
  TOP w0.254: R9.2@-38.379,123.353 -38.097,123.353 -38.013,123.438 -36.782,123.438 -36.303,123.917 U1.13
VBAT: C1.2 C2.2 C3.2 C4.2 C5.2 C6.2 C7.2 J1.1 Q1.2 Q2.2 Q5.2 Q6.2 R1.2 TP1.1 U1.22 | length 17.9
  TOP w0.508: TP1.1@-60.757,82.372 -58.544,84.585 -58.544,91.203 J1.1 ; v2(-47.803,126.39) -47.752,126.39 -47.727,126.365 R1.2 ; U1.22 -31.09,131.223 v2(-31.066,131.199) ; v2@-31.065,131.223 C1.2@-29.651,131.223
  other v1: -60.919,93.356 -53.34,93.345 -49.53,93.345 -59.055,95.25 -51.054,95.25 -46.279,96.698 -60.96,97.155 -57.15,97.155 -53.34,97.155 -49.53,97.155 -46.279,99.797 -57.912,100.584 -61.722,100.965 -46.736,102.895 -60.96,104.775 -57.912,104.775 -46.736,105.994 -57.912,108.585 -61.722,108.966 -46.736,109.093 -46.279,112.192 -60.96,112.395 -57.912,112.395 -46.279,115.291 -61.722,116.586 -57.912,116.586 -46.279,118.389 -57.912,119.634 -5.715,131.445 -1.905,131.445 -21.127,132.191 -13.335,132.172 -9.525,132.172 -17.145,132.207 1.143,133.35 -22.914,133.567 -24.704,135.316 -22.86,137.16 1.143,137.16 -24.765,139.065 -22.86,140.97 1.134,140.958 -24.765,142.875 -20.955,142.875 -17.145,142.875 -13.335,142.875 -9.525,142.875 -5.715,142.875 -1.905,142.875 -10.287,145.956 -29.718,146.304 -28.466,148.209 -26.017,148.209 -23.568,148.209 -21.118,148.209 -18.669,148.209 -16.22,148.209 -13.77,148.209 -11.321,148.209
VCCINT: C10.2 D1.1 D2.1 R6.1 R7.1 U1.19 | length 36.7
  TOP w0.254: R7.1@-35.068,121.172 -35.052,121.188 v2(-35.052,122.072) ; v2(-32.893,133.807) -32.918,133.807 -33.807,132.918 -33.807,128.829 ; v2(-32.631,125.129) -32.631,125.998 -33.807,127.174 -33.807,128.829 ; U1.19 -32.481,128.826 -33.804,128.826 -33.807,128.829 ; v2(-30.48,136.55) -30.229,136.801 -29.444,136.801 -29.083,137.162 -29.083,138.464 -30.102,139.482 R6.1
  TOP w0.508: U1.19 -30.991,128.823 -29.792,127.624 -28.868,127.624 -28.522,127.278 C10.2 -28.6,127.1 -28.6,125.147 D1.1 -28.356,124.749 -28.356,124.107 -26.26,122.011 -25.187,122.011 -24.866,121.69 D2.1
  BOT w0.254: v2(-35.052,122.072) -32.631,124.494 v2(-32.631,125.129) ; v2(-32.893,133.807) -32.893,133.809 -32.463,134.239 -32.463,134.517 -30.48,136.5 v2(-30.48,136.55)
pads on no net: MH1.0 MH2.0 MH3.0 MH4.0

## Polygon pours and split planes (outlines as drawn)
GND on TOP "GND_L01_P001" (solid, remove dead copper, pour order 75): -76.581,72.314 -76.581,164.592 cw(c-74.041,164.592) -74.041,167.132 41.91,167.132 cw(c41.91,164.592) 44.45,164.592 44.45,72.314 cw(c41.91,72.314) 41.91,69.774 -74.041,69.774 cw(c-74.041,72.314)
VBAT on TOP "VBAT_L01_P001" (solid, remove dead copper, pour order 71): -22.198,130.173 -25.857,133.833 -25.857,142.34 -27.586,144.069 -29.596,144.069 -30.328,144.8 -30.328,147.551 -29.086,148.793 -9.728,148.793 -9.728,146.634 -8.165,145.071 -0.418,145.071 1.956,142.697 1.956,130.124
LX1 on TOP "LX1_L01_P001" (solid, remove dead copper, pour order 70): 18.821,112.751 18.796,112.776 18.796,128.6 3.48,128.6 1.956,130.124 -22.149,130.124 -22.198,130.173 -22.871,129.5 -22.871,116.311 -20.708,114.148 -1.077,114.148 0.346,112.725 0.396,112.725
LX2 on TOP "LX2_L01_P001" (solid, remove dead copper, pour order 62): -41.732,82.042 -42.774,81.001 -47.157,81.001 -47.661,81.001 -48.21,81.549 -48.21,94.996 -44.425,94.996 -44.425,120.193 -30.048,120.193 -28.733,118.877 -28.733,98.222 -30.419,96.535 -36.18,96.535 -41.732,90.983
24V on TOP "24V_L01_P001" (solid, remove dead copper, pour order 69): -21.917,78.963 -21.917,99.299 -20.381,100.836 17.05,100.836 18.831,102.617 18.796,102.652 18.796,133.918 17.154,135.56 10.287,135.56 9.068,136.779 9.068,141.707 8.026,142.748 1.905,142.748 -0.418,145.071 -8.165,145.071 -9.703,146.609 -9.703,151.028 -8.636,152.095 27.737,152.095 29.093,150.739 29.093,146.187 27.977,145.071 26.284,145.071 25.375,144.162 25.375,140.411 27.026,138.76 29.82,138.76 31.09,137.49 31.09,135.128 29.737,133.775 29.737,88.995 24.181,83.439 -11.176,83.439 -15.697,78.918 -21.869,78.918
NetL1_2 on TOP "NetL1_2_L01_P001" (solid, remove dead copper, pour order 60): 1.956,142.697 7.925,142.697 9.068,141.554 9.068,136.779 10.287,135.56 17.154,135.56 18.796,133.918 18.796,128.6 3.48,128.6 1.956,130.124
NetL2_2 on TOP "NetL2_2_L01_P001" (solid, pour order 72): -30.601,95.834 -21.957,95.834 -21.917,95.795 -21.917,78.94 -21.895,78.918 -28.6,78.918 -31.699,82.017 -31.699,94.736
VBAT on TOP "VBAT_L01_P002" (solid, remove dead copper, pour order 66): -61.64,120.193 -44.425,120.193 -44.425,95.009 -44.438,94.996 -48.387,94.996 -48.387,91.728 -60.744,91.728 -62.334,93.318 -62.334,119.498
GND on BOT "GND_L04_P001" (solid, pour order 76): -76.581,72.314 -76.581,164.592 cw(c-74.041,164.592) -74.041,167.132 41.91,167.132 cw(c41.91,164.592) 44.45,164.592 44.45,72.314 cw(c41.91,72.314) 41.91,69.774 -74.041,69.774 cw(c-74.041,72.314)
VBAT on PWR (split plane): -74.041,166.622 -9.768,166.622 -9.768,146.609 -9.763,146.584 -9.749,146.563 -8.21,145.025 -8.207,145.022 -8.186,145.008 -8.161,145.003 -0.441,145.003 1.891,142.67 1.891,130.151 -0.357,127.903 -16.61,127.903 -18.776,130.068 -18.797,130.082 -18.821,130.087 -30.251,130.087 -30.276,130.082 -30.297,130.068 -31.796,128.57 -31.81,128.549 -31.815,128.524 -31.815,124.46 -31.81,124.435 -31.796,124.414 -30.173,122.792 -30.152,122.777 -30.127,122.773 -23.65,122.773 -21.703,120.825 -21.703,70.284 -74.041,70.284 -74.057,70.283 -74.24,70.292 -74.437,70.321 -74.631,70.369 -74.819,70.437 -74.999,70.522 -75.17,70.624 -75.33,70.743 -75.478,70.877 -75.612,71.025 -75.73,71.185 -75.833,71.356 -75.918,71.536 -75.985,71.724 -76.034,71.917 -76.063,72.115 -76.072,72.298 -76.071,72.314 -76.071,164.592 -76.072,164.608 -76.063,164.791 -76.034,164.988 -75.985,165.182 -75.918,165.37 -75.833,165.55 -75.73,165.721 -75.612,165.881 -75.478,166.029 -75.33,166.163 -75.17,166.281 -74.999,166.384 -74.819,166.469 -74.631,166.536 -74.437,166.585 -74.24,166.614 -74.057,166.623
24V on PWR (split plane): 42.109,166.614 42.306,166.585 42.5,166.536 42.688,166.469 42.868,166.384 43.039,166.281 43.199,166.163 43.347,166.029 43.481,165.881 43.599,165.721 43.702,165.55 43.787,165.37 43.854,165.182 43.903,164.988 43.932,164.791 43.941,164.608 43.94,164.592 43.94,72.314 43.941,72.298 43.932,72.115 43.903,71.917 43.854,71.724 43.787,71.536 43.702,71.356 43.599,71.185 43.481,71.025 43.347,70.877 43.199,70.743 43.039,70.624 42.868,70.522 42.688,70.437 42.5,70.369 42.306,70.321 42.109,70.292 41.926,70.283 41.91,70.284 -21.573,70.284 -21.573,120.852 -21.578,120.877 -21.592,120.898 -23.578,122.883 -23.599,122.897 -23.623,122.902 -30.1,122.902 -31.685,124.487 -31.685,128.497 -30.225,129.958 -18.848,129.958 -16.683,127.792 -16.662,127.778 -16.637,127.773 -0.33,127.773 -0.305,127.778 -0.284,127.792 2.002,130.078 2.016,130.099 2.021,130.124 2.021,142.697 2.016,142.722 2.002,142.743 -0.369,145.113 -0.39,145.127 -0.414,145.132 -8.135,145.132 -9.638,146.636 -9.638,166.622 41.91,166.622 41.926,166.623
GND on GND (split plane): 42.109,166.614 42.306,166.585 42.5,166.536 42.688,166.469 42.868,166.384 43.039,166.281 43.199,166.163 43.347,166.029 43.481,165.881 43.599,165.721 43.702,165.55 43.787,165.37 43.854,165.182 43.903,164.988 43.932,164.791 43.941,164.608 43.94,164.592 43.94,72.314 43.941,72.298 43.932,72.115 43.903,71.917 43.854,71.724 43.787,71.536 43.702,71.356 43.599,71.185 43.481,71.025 43.347,70.877 43.199,70.743 43.039,70.624 42.868,70.522 42.688,70.437 42.5,70.369 42.306,70.321 42.109,70.292 41.926,70.283 41.91,70.284 -74.041,70.284 -74.057,70.283 -74.24,70.292 -74.437,70.321 -74.631,70.369 -74.819,70.437 -74.999,70.522 -75.17,70.624 -75.33,70.743 -75.478,70.877 -75.612,71.025 -75.73,71.185 -75.833,71.356 -75.918,71.536 -75.985,71.724 -76.034,71.917 -76.063,72.115 -76.072,72.298 -76.071,72.314 -76.071,164.592 -76.072,164.608 -76.063,164.791 -76.034,164.988 -75.985,165.182 -75.918,165.37 -75.833,165.55 -75.73,165.721 -75.612,165.881 -75.478,166.029 -75.33,166.163 -75.17,166.281 -74.999,166.384 -74.819,166.469 -74.631,166.536 -74.437,166.585 -74.24,166.614 -74.057,166.623 -74.041,166.622 41.91,166.622 41.926,166.623

## Other copper
PWR (plane layer: these items are gaps in the copper):
  lines w0.127: -21.922,69.774 -21.917,69.779 ; -21.638,69.774 -21.638,120.852 -23.623,122.837 -30.127,122.837 -31.75,124.46 -31.75,128.524 -30.251,130.023 -18.821,130.023 -16.637,127.838 -0.33,127.838 1.956,130.124 1.956,142.697 -0.414,145.067 -8.161,145.067 -8.165,145.071 -9.703,146.609 -9.703,167.066 -9.769,167.132

## Silkscreen, mask and mechanical layers (free items; w line width, h text height)
Top Overlay:
  drawing of 159 lines, arcs and shapes, not listed
  text "GND" at 35.433,159.021 h1.52
  text "24V" at 35.686,153.543 h1.52
  text "48-24V Multiphase Buck" at -67.437,152.724 h2.54
  text "Rev1" at -67.437,150.52 h2.54
  text "Febuary 2022" at -67.437,146.399 h2.54
  text "Logan Hartford" at -67.437,144.367 h2.54
  text "FB1" at -48.768,143.383 h1.52
  text "GND" at 35.665,139.573 h2.03 r90
  text "CS+" at 2.286,139.336 h1.52
  text "GND" at -49.022,138.574 h1.52
  text "24V" at 35.687,134.618 h2.03 r90
  text "FB2" at -50.292,132.461 h1.52
  text "DH1" at 0.127,126.238 h1.52
  text "LX1" at 0.498,114.49 h1.52
  text "DL2" at -22.479,108.458 h1.52
  text "DL1" at -12.446,107.696 h1.52
  text "DH2" at -41.783,98.933 h1.52
  text "VBAT" at -63.119,96.264 h2.03 r270
  text "CS+" at -25.819,92.379 h1.52
  text "GND" at -63.097,90.551 h2.03 r270
  text "LX2" at -50.927,88.773 h1.52
  text "GND" at -57.023,84.218 h1.52
  text "VBAT" at -62.61,84.201 h1.52
Mechanical 15:
  lines w0.064: -76.581,72.314 ccw(c-74.041,72.314) -74.041,69.774 41.91,69.774 ccw(c41.91,72.314) 44.45,72.314 44.45,164.592 ccw(c41.91,164.592) 41.91,167.132 -74.041,167.132 ccw(c-74.041,164.592) -76.581,164.592 -76.581,72.314
  lines w0.127: -52.908,120.33 -52.908,120.193 -51.663,120.193 ; -48.273,94.996 -48.273,81.612 -47.661,81.001 -42.774,81.001 -41.732,82.042 -41.732,90.983 -36.18,96.535 -30.419,96.535 -28.733,98.222 -28.733,118.877 -30.048,120.193 -30.607,120.193 ; -45.168,94.996 -48.21,94.996 -48.273,94.933 -48.273,93.891 -48.273,91.728 -51.833,91.728 -60.919,91.728 -62.509,93.318 -62.509,119.498 -61.815,120.193 -44.425,120.193 ; -44.425,94.996 -44.425,95.987 -44.425,99.136 -44.425,120.193 ; -44.425,118.872 -44.425,120.193 ; -42.831,120.193 -30.295,120.193 ; -42.647,120.193 -44.425,120.193 ; -31.513,120.193 -31.436,120.27 ; -29.206,136.662 -29.206,136.673 ; -25.946,89.749 -25.945,89.749 ; -22.871,119.532 -22.871,129.5 -22.198,130.173 ; -22.871,119.573 -22.871,116.311 -20.708,114.148 -1.077,114.148 0.371,112.7 18.821,112.7 18.821,120.548 18.821,128.6 3.48,128.6 3.087,128.993 2.3,129.78 1.907,130.173 -0.005,130.173 ; -21.927,78.918 -15.748,78.918 -15.723,78.892 -11.176,83.439 24.181,83.439 25.527,84.785 29.794,89.052 29.794,133.833 31.09,135.128 31.09,137.49 29.82,138.76 27.026,138.76 25.375,140.411 25.375,143.078 25.375,144.162 26.284,145.071 27.977,145.071 29.093,146.187 29.093,150.739 27.737,152.095 -8.636,152.095 -9.703,151.028 -9.703,146.609 ; -21.917,80.267 -21.917,99.299 -20.381,100.836 16.889,100.836 17.05,100.836 18.831,102.617 18.831,113.853 18.821,113.843 18.821,133.892 17.154,135.56 ; -21.917,95.795 -21.957,95.834 -26.822,95.834 -30.601,95.834 -31.699,94.736 -31.699,82.017 -28.6,78.918 -23.266,78.918 -21.895,78.918 -21.895,80.241 -21.869,80.267 ; -21.869,86.861 -21.869,85.673 -21.869,79.024 -21.869,78.892 ; -1.083,107.832 -1.041,107.874 ; 1.956,134.876 1.956,142.697 -0.414,145.067 ; 3.658,142.697 8.077,142.697 9.068,141.707 9.068,136.779 10.287,135.56 17.154,135.56 ; 4.267,128.6 17.374,128.6 18.796,128.6 18.796,130.023 18.796,133.918 17.154,135.56 ; 14.326,135.6 14.366,135.56 17.154,135.56 ; -22.198,130.173 -25.857,133.833 -25.857,140.741 -25.857,142.34 -27.586,144.069 -29.596,144.069 -30.328,144.8 -30.328,145.237 -30.328,147.551 -29.111,148.768 -9.754,148.768 -9.703,148.819 -9.703,146.609 ; -22.198,130.173 -10.429,130.173 -0.005,130.173 ; -22.198,130.173 -0.005,130.173 ; -21.869,78.892 -21.869,78.892 ; -9.703,146.609 -8.165,145.071 ; -9.703,146.609 -8.165,145.071 ; -8.165,145.071 -0.414,145.067 ; -8.165,145.071 -0.414,145.067
  lines w0.254: -45.618,126.644 -45.618,126.365 ; -45.618,126.365 -45.618,126.365